# Altium PCB spd150.PcbDoc (part 13 of 16) (continued)
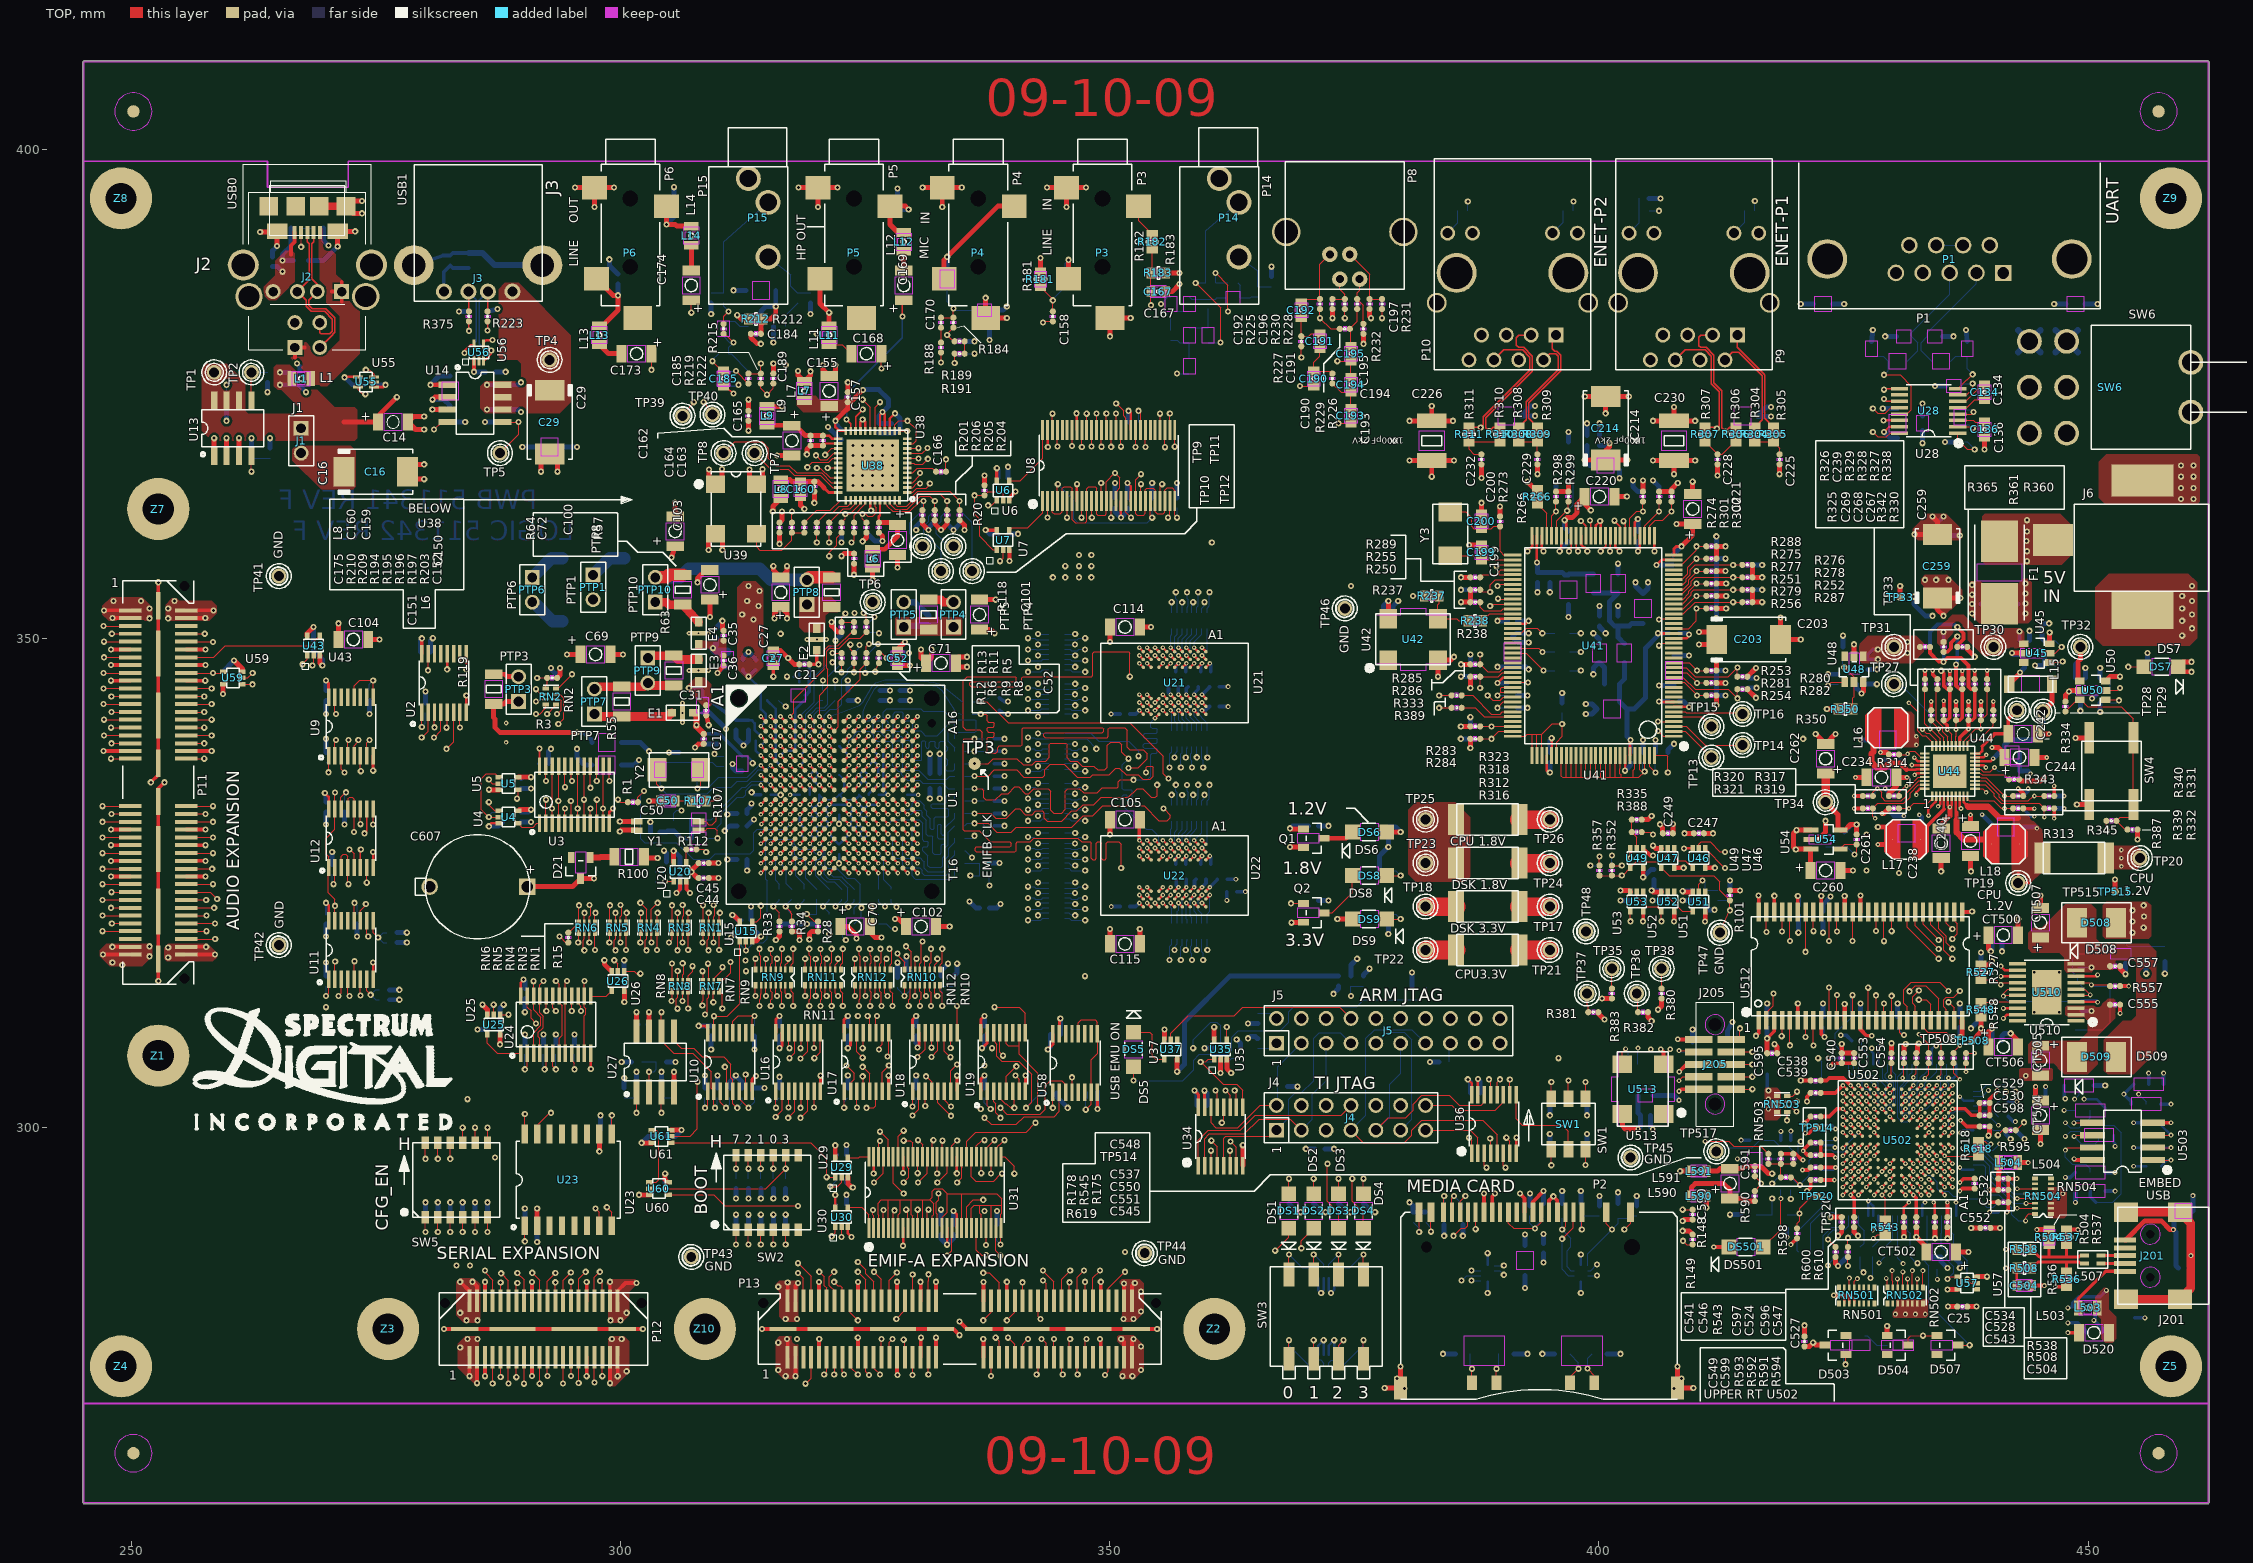
[diagram p0: TOP view]
## Nets (pads, with @x,y where several pads share a name; then routed paths per layer and width w, separated by ;. In a path a pad name is that pad's centre, name@x,y a point inside that pad or via, vN(x,y) a via of type N, cw(c..) or ccw(c..) an arc to the next point about the centre after c; other vN are vias at no path point) (continued)
T_TDI: R607.2 U34.3 | length 80.2
  TOP w0.127: U34.3@360.34,296.098 v1(360.34,297.622)
  LYR3-SIG w0.127: v1(360.34,297.622) 361.036,296.926 381.508,296.926 383.921,294.513 388.874,294.513 392.43,290.957 402.59,290.957 410.21,283.337 427.228,283.337 429.971,286.08 v3(431.089,286.08)
  BOTTOM w0.127: R607.2@430.53,286.766 430.53,286.639 v3(431.089,286.08)
T_TDO: R608.2 U36.6 | length 46
  TOP w0.127: U36.6@390.23,297.368 390.23,296.103 v1(390.449,295.885)
  LYR3-SIG w0.127: v1(390.449,295.885) 391.236,296.672 396.494,296.672 398.399,294.767 406.349,294.767 415.798,285.318 425.765,285.318 426.603,286.156 v3(428.625,286.156)
  BOTTOM w0.127: v3(428.625,286.156) 429.235,286.766 R608.2@429.26,286.766
T_TMS: R606.2 U34.6 | length 75.5
  TOP w0.127: U34.6@362.29,296.098 v1(362.29,297.622)
  LYR3-SIG w0.127: v1(362.29,297.622) 362.605,297.307 382.143,297.307 384.683,294.767 389.509,294.767 392.684,291.592 402.971,291.592 410.972,283.591 426.745,283.591 v1(427.761,284.607)
  BOTTOM w0.127: v1(427.761,284.607) 427.99,284.836 R606.2@427.99,286.766
T_TRSTN: R605.2 U34.13 | length 78.9
  TOP w0.127: v1(360.807,303.784) 360.99,303.601 U34.13@360.99,302.072
  LYR3-SIG w0.127: v1(360.807,303.784) 366.141,298.45 382.143,298.45 385.572,295.021 392.049,295.021 394.843,292.227 403.225,292.227 411.607,283.845 426.339,283.845 427.025,284.531 v1(427.025,285.191)
  BOTTOM w0.127: R605.2@426.72,286.766 426.72,285.496 v1(427.025,285.191)
TCK5509: J205.9 RN503.7 U502.J13 | length 15.4
  TOP w0.127: J205.9@413.512,303.911 v1(415.671,303.911) ; RN503.7@419.24,302.636 420.238,302.636 v1(420.243,302.641)
  TOP w0.254: v2(425.727,300.304) U502.J13@426.128,299.905
  LYR3-SIG w0.102: 422.783,300.711 425.094,300.711 425.501,300.304 v2(425.727,300.304)
  LYR3-SIG w0.127: v1(420.243,302.641) 422.173,300.711 422.783,300.711
  LYR7-SIG w0.127: v1(415.671,303.911) 417.131,302.45 420.053,302.45 v1(420.243,302.641)
TDI5509: J205.5 U502.K14 | length 14.2
  TOP w0.127: J205.5@413.512,306.451 v1(415.671,306.451)
  TOP w0.254: v2(424.927,301.104) U502.K14@425.328,300.706
  LYR7-SIG w0.102: 422.783,302.514 424.193,301.104 v2(424.927,301.104)
  LYR7-SIG w0.127: v1(415.671,306.451) 416.433,306.451 418.719,304.165 421.132,304.165 422.783,302.514
TDO5509: J205.7 U502.K13 | length 14.9
  TOP w0.127: J205.7@413.512,305.181 v1(415.671,305.181)
  TOP w0.254: v2(425.727,301.104) U502.K13@426.128,300.706
  LYR7-SIG w0.102: 422.783,301.752 423.824,300.711 425.333,300.711 v2(425.727,301.104)
  LYR7-SIG w0.127: v1(415.671,305.181) 416.555,305.181 417.444,304.292 417.533,304.292 417.83,303.995 417.83,303.906 418.587,303.149 421.47,303.149 422.783,301.836 422.783,301.752
TMS5509: J205.3 U502.J14 | length 18.3
  TOP w0.127: J205.3@413.512,307.721 v1(415.671,307.721)
  TOP w0.254: v2(424.927,300.304) U502.J14@425.328,299.905
  LYR7-SIG w0.102: 422.783,300.304 v2(424.927,300.304)
  LYR7-SIG w0.127: v1(415.671,307.721) 415.163,307.213 415.163,303.408 417.137,301.435 419.664,301.435 420.108,300.99 421.14,300.99 421.825,300.304 422.783,300.304
TRST5509: J205.1 R552.2 U502.J12 | length 20.3
  TOP w0.127: J205.1@413.512,308.991 414.147,308.991 414.401,309.245 v1(414.401,310.134)
  TOP w0.254: v2(426.527,300.304) U502.J12@426.928,299.905
  LYR7-SIG w0.102: 422.783,303.657 422.783,303.489 424.762,301.511 425.879,301.511 426.121,301.269 426.121,300.827 426.527,300.421 v2(426.527,300.304)
  LYR7-SIG w0.127: v1(414.401,310.134) 418.846,305.689 420.751,305.689 422.783,303.657
  BOTTOM w0.127: R552.2@414.147,308.991 414.147,309.88 v1(414.401,310.134)
TXM1: P9.2 R304.1 U41.49 | length 37.6
  TOP w0.132: v1(400.177,358.902) 400.667,359.392 U41.49@400.667,360.477 ; P9.2@412.877,378.46 413.639,379.222 414.269,379.222 416.667,376.824 416.667,372.344 R304.1@415.925,371.602 416.154,371.602 v1(416.916,370.84)
  LYR4-SIG w0.132: v1(400.177,358.902) 400.52,359.245 400.52,359.987 400.972,360.439 408.429,360.439 417.703,369.712 417.703,370.053 v1(416.916,370.84)
TXM2: P10.2 R308.1 U41.55 | length 31.5
  TOP w0.132: v1(392.76,370.891) 392.049,371.602 R308.1@391.795,371.602 392.557,372.364 392.557,374.183 395.834,377.459 395.834,378.841 395.58,379.095 394.97,379.095 P10.2@394.335,378.46 ; U41.55@397.662,360.477 397.662,359.105 v1(397.866,358.902)
  LYR4-SIG w0.132: v1(392.76,370.891) 393.37,370.891 393.548,370.713 393.548,367.838 394.594,366.791 394.594,361.188 394.993,360.789 394.993,358.145 395.435,357.703 397.053,357.703 397.51,358.16 397.51,358.546 v1(397.866,358.902)
TXP1: P9.1 R305.1 U41.48 | length 37.6
  TOP w0.132: v1(401.117,358.902) 401.168,358.953 U41.48@401.168,360.477 ; P9.1@414.147,381 414.147,379.745 416.898,376.994 416.898,376.954 416.921,376.931 416.921,372.511 R305.1@417.83,371.602 417.957,371.602 v1(418.719,370.84)
  LYR4-SIG w0.132: v1(401.117,358.902) 400.774,359.245 400.774,359.88 401.079,360.185 408.536,360.185 417.957,369.606 417.957,370.078 v1(418.719,370.84)
TXP2: P10.1 R309.1 U41.56 | length 31.6
  TOP w0.132: v1(394.589,370.84) 393.827,371.602 R309.1@393.7,371.602 392.811,372.491 392.811,374.076 396.088,377.353 396.088,378.948 395.686,379.349 395.478,379.349 395.224,379.603 395.224,380.619 P10.1@395.605,381 ; v1(396.926,358.902) 397.162,359.138 U41.56@397.162,360.477
  LYR4-SIG w0.132: v1(394.589,370.84) 393.929,370.84 393.802,370.713 393.802,367.944 394.848,366.898 394.848,361.295 395.247,360.896 395.247,358.252 395.541,357.957 396.946,357.957 397.256,358.267 397.256,358.572 v1(396.926,358.902)
UART0_RXD_I2C0_SDA: R26.2 R32.2 R34.2 U10.7 | length 24.4
  TOP w0.127: U10.7@312.776,303.718 v1(312.776,305.41) ; v1(316.865,322.58) 317.373,322.072 317.373,321.945 317.5,321.818 R34.2@317.5,321.056
  LYR4-SIG w0.127: v1(312.776,305.41) 312.801,305.435 312.801,313.563 315.468,316.23 315.468,317.5 315.874,317.906 315.874,318.44 316.865,319.43 v1(316.865,322.58)
  BOTTOM w0.127: R26.2@317.5,321.818 316.865,322.453 v1(316.865,322.58) 316.865,322.707 R32.2@317.5,323.342
UART0_TXD_I2C0_SCL: R25.2 R31.2 R33.2 U10.4 | length 24.8
  TOP w0.127: v1(310.642,306.197) 310.825,306.014 U10.4@310.825,303.718 ; v1(315.595,322.58) 316.23,321.945 R33.2@316.23,321.056
  LYR4-SIG w0.127: v1(310.642,306.197) 312.039,307.594 312.039,313.944 314.325,316.23 314.325,317.5 314.833,318.008 314.833,319.151 315.595,319.913 v1(315.595,322.58)
  BOTTOM w0.127: R25.2@316.23,321.818 316.23,321.945 v1(315.595,322.58) 316.23,323.215 R31.2@316.23,323.342
UART2_RXD: U12.10 U28.9 | length 197
  TOP w0.132: v1(273.812,330.073) 274.041,330.302 U12.10@274.041,332.552 ; v1(429.133,375.412) 429.25,375.529 U28.9@430.718,375.529
  LYR7-SIG w0.132: v1(273.812,330.073) 274.32,329.565 276.499,329.565 284.808,337.873 284.808,340.942 283.083,342.666 283.083,358.48 287.241,362.638 301.191,362.638 304.038,359.791 308.668,359.791 308.671,359.794 309.311,359.794 309.314,359.791 310.065,359.791 310.068,359.794 310.708,359.794 310.711,359.791 312.623,359.791 313.327,359.087 317.34,359.087 317.459,359.207 328.752,359.207 329.692,358.267 336.591,358.267 337.988,359.664 341.777,359.664 346.73,364.617 387.624,364.617 392.123,369.115 419.044,369.115 425.084,375.155 428.876,375.155 v1(429.133,375.412)
UART2_TXD: U12.6 U28.11 | length 196.9
  TOP w0.132: U12.6@273.39,326.578 273.39,328.381 v1(273.431,328.422) ; v1(429.133,374.472) 429.377,374.228 U28.11@430.718,374.228
  LYR7-SIG w0.132: v1(273.431,328.422) 274.32,329.311 276.606,329.311 285.062,337.767 285.062,341.048 283.337,342.773 283.337,358.374 287.348,362.384 301.084,362.384 303.931,359.537 308.775,359.537 308.778,359.54 309.204,359.54 309.207,359.537 310.172,359.537 310.175,359.54 310.601,359.54 310.604,359.537 312.517,359.537 313.22,358.833 317.447,358.833 317.566,358.953 328.646,358.953 329.585,358.013 336.697,358.013 338.094,359.41 341.884,359.41 346.837,364.363 387.731,364.363 392.229,368.861 419.151,368.861 425.191,374.901 428.628,374.901 429.057,374.472 v1(429.133,374.472)
USB0_DM: J2.2A J2.2AB J2.2B U1.G4 U55.5 | length 96.4
  TOP w0.127: U55.5@273.162,375.714 273.162,375.427 273.634,374.955 v1(273.888,374.955)
  TOP w0.152: J2.2AB@268.618,391.477 268.618,390.538 268.427,390.347 268.427,386.779 268.986,386.22 J2.2A@268.986,385.445 268.122,384.581 268.122,384.058 268.488,383.692 269.847,383.692 270.789,382.75 270.789,381.264 270.373,380.848 270.358,380.848 J2.2B@269.24,379.73
  TOP w0.254: v2(317.325,336.012) U1.G4@317.825,335.511
  LYR8-SIG w0.152: J2.2B@269.24,379.73 270.383,380.873 271.13,380.873 272.39,379.613 272.39,376.321 272.664,376.047 273.431,376.047 273.685,375.793 273.685,375.158 v1(273.888,374.955) 274.193,375.26 274.193,375.92 274.33,376.057 274.922,376.057 275.049,375.93 275.049,366.286 290.84,350.495 302.539,350.495 304.521,348.513 304.521,345.831 308.341,342.011 308.839,342.011 309.728,341.122 309.728,339.862 312.255,337.335 312.255,336.588 312.928,335.915 313.563,335.915 313.944,335.534 316.847,335.534 v2(317.325,336.012)
USB0_DP: J2.3A J2.3AB J2.3B U1.F4 U55.3 | length 96.9
  TOP w0.127: v1(273.939,377.444) 274.32,377.444 274.787,376.977 U55.3@274.787,376.715
  TOP w0.152: J2.3AB@267.97,391.477 267.97,390.525 268.148,390.347 268.148,386.639 J2.3A@266.954,385.445 267.843,384.556 267.843,383.941 268.371,383.413 269.73,383.413 270.51,382.633 270.51,381.381 270.256,381.127 269.367,381.127 269.24,381.254 J2.3B@269.24,382.27
  TOP w0.254: v2(317.325,337.012) U1.F4@317.825,336.512
  LYR8-SIG w0.152: J2.3B@269.24,382.27 270.358,381.152 271.247,381.152 272.669,379.73 272.669,376.438 272.781,376.326 273.329,376.326 273.685,376.682 273.685,377.317 273.812,377.444 v1(273.939,377.444) 274.193,377.19 274.193,376.504 274.361,376.337 275.039,376.337 275.328,376.047 275.328,366.403 290.957,350.774 302.656,350.774 304.8,348.63 304.8,345.948 308.458,342.29 308.955,342.29 310.007,341.239 310.007,339.979 312.534,337.452 312.534,336.705 313.045,336.194 313.588,336.194 313.944,336.55 316.862,336.55 v2(317.325,337.012)
USB1_SH: C271.2 J3.5 J3.6 R392.2 | length 13.9
  BOTTOM w0.381: J3.6@278.854,388.155 281.813,389.128 C271.2@282.575,389.128 282.829,389.382 R392.2@284.48,389.382
  BOTTOM w0.635: R392.2@284.48,389.382 285.877,389.382 287.104,388.155 J3.5@291.996,388.155
USB_1.6V: C524.1 C527.1 C529.1 C530.1 C532.1 C543.1 C544.1 C545.1 C546.1 C547.1 C548.1 C549.1 C556.1 CT504.1 CT506.1 D503.3 L590.2 R548.1 TP508.1 U502.A6 U502.A13 U502.A14 U502.B2 U502.B7 U502.B8 U502.B13 U502.C10 U502.C12 U502.G1 U502.J5 U502.J10 U502.J11 U502.L1 U502.L14 U502.M4 U502.M11 U502.N7 U502.N8 U510.18 U510.19 | length 44.8
  TOP w0.127: v2(431.038,305.054) 431.165,305.181 C549.1@431.165,306.578
  TOP w0.254: v2(424.927,293.101) U502.A14@425.328,293.502 ; v2(424.927,301.904) 425.326,301.506 U502.L14@425.328,301.506 ; v2(425.727,293.101) U502.A13@426.128,293.502 ; v2(425.727,293.901) U502.B13@426.128,294.302 ; v2(426.527,294.701) U502.C12@426.928,295.102 ; v2(427.327,300.304) U502.J11@427.728,299.905 ; v2(427.327,302.704) U502.M11@427.728,302.306 ; v2(428.127,294.701) U502.C10@428.528,295.102 ; v2(428.127,300.304) U502.J10@428.528,299.905 ; v2(429.727,293.901) U502.B8@430.129,294.302 ; v2(429.727,302.704) U502.N8@430.129,303.106 ; U502.B7@430.931,294.302 v2(431.33,293.901) ; U502.N7@430.931,303.106 v2(431.33,303.505) ; U502.A6@431.731,293.502 431.731,293.5 v2(432.13,293.101) ; U502.J5@432.532,299.905 v2(432.93,300.304) ; U502.M4@433.332,302.306 v2(433.73,302.704) ; U502.B2@434.932,294.302 v2(435.331,293.901) ; U502.G1@435.732,298.303 v2(436.131,297.901) ; U502.L1@435.732,301.506 v2(436.131,301.904) ; v3(441.325,311.15) 441.716,311.541 U510.19@442.783,311.541 ; v3(441.325,312.166) 441.35,312.191 U510.18@442.783,312.191
  TOP w0.381: C545.1@422.656,294.64 v2(424.053,294.64) ; C548.1@422.656,301.117 423.545,301.117 424.332,301.904 v2(424.927,301.904) ; v2(425.727,293.101) 426.085,292.743 C546.1@426.085,290.83 ; v2(432.13,293.101) 432.435,292.796 C524.1@432.435,290.83 ; v2(436.131,301.904) 437.413,301.904 438.074,301.244 C530.1@438.912,301.244 C529.1@438.912,302.514 ; v2(436.88,294.386) 437.261,294.767 C532.1@438.404,294.767 ; v3(439.928,292.354) C543.1@440.817,292.354
  TOP w0.406: C547.1@435.61,290.83 v2(435.61,292.354)
  TOP w0.508: v1(410.972,291.795) L590.2@410.972,292.989 ; C527.1@421.005,277.622 421.513,277.622 v1(421.894,278.003) 422.148,277.749 D503.3@423.113,277.749 ; TP508.1@438.15,308.864 439.039,309.753 v1(439.039,310.134) R548.1@439.039,311.277 ; CT506.1@439.801,308.229 439.801,309.753 v1(440.182,310.134) ; v3(444.627,304.165) 444.627,303.276 CT504.1@445.135,302.768
  BOTTOM w0.381: C544.1@444.627,303.276 v3(444.627,304.165)
  BOTTOM w0.508: C556.1@440.182,308.864 v1(440.182,310.134)
USB_2.5V: C526.1 C592.1 C593.1 C594.1 CT500.1 D507.3 R527.1 TP514.1 U510.12 U510.13 U511.35 U511.57 U511.67 U511.90 | length 34.9
  TOP w0.127: D507.3@436.677,277.749 v1(437.896,277.749)
  TOP w0.254: v3(441.071,315.443) U510.13@442.783,315.443 ; v3(441.071,316.484) 441.462,316.093 U510.12@442.783,316.093
  TOP w0.381: v3(421.107,299.415) 421.462,299.415 422.021,299.974 TP514.1@422.275,299.974
  TOP w0.508: R527.1@439.039,316.611 439.801,316.611 v1(440.182,316.992) ; CT500.1@439.801,319.659 439.801,318.262 v1(440.055,318.008)
  BOTTOM w0.127: U511.57@433.532,290.957 433.532,287.955 C594.1@433.705,287.782 433.07,287.147 433.07,286.512 433.705,285.877 433.705,281.94 v1(437.896,277.749) ; U511.35@438.277,300.205 439.824,300.205 440.309,299.72 C592.1@441.579,299.72
  BOTTOM w0.254: v3(421.107,299.415) 421.35,299.415 421.64,299.705 U511.90@422.783,299.705 ; v2(427.99,289.509) 428.528,290.048 U511.67@428.528,290.957
  BOTTOM w0.381: C593.1@419.608,298.704 v3(419.608,299.618)
  BOTTOM w0.457: C592.1@441.579,299.72 441.579,299.339 v1(442.087,298.831)
  BOTTOM w0.508: v1(440.055,318.008) 440.182,318.135 C526.1@440.182,319.024
USB_DM: J3.2 R223.2 U56.3 | length 10.6
  TOP w0.152: U56.3@285.996,378.409 286.08,378.409 286.766,379.095 v1(286.766,379.425) ; R223.2@286.385,383.413 286.426,383.454 J3.2@286.426,385.445
  BOTTOM w0.152: J3.2@286.426,385.445 285.56,384.579 285.56,380.136 286.271,379.425 v1(286.766,379.425)
USB_DP: J3.3 R375.2 U56.5 | length 10.7
  TOP w0.152: v1(284.023,379.171) 284.023,379.4 284.658,380.035 U56.5@284.996,380.035 ; J3.3@284.424,385.445 284.48,385.389 R375.2@284.48,383.413
  BOTTOM w0.152: v1(284.023,379.171) 284.048,379.171 285.255,380.378 285.255,384.614 J3.3@284.424,385.445
USB_POWERDET: R534.2 R535.1 U502.D1 | length 26.2
  TOP w0.254: U502.D1@435.732,295.902 v2(436.131,295.501)
  LYR4-SIG w0.102: v2(436.131,295.501) 438.277,295.501
  LYR4-SIG w0.127: 438.277,295.501 438.686,295.501 440.436,293.751 440.436,291.338 450.596,281.178 v3(450.596,280.289)
  BOTTOM w0.381: R534.2@450.723,281.559 450.723,280.416 v3(450.596,280.289) 451.358,279.527 R535.1@451.358,279.019
USB_USBVDD: C528.1 C534.1 L504.2 U502.D2 | length 4.3
  TOP w0.254: U502.D2@434.932,295.902 v2(435.331,295.504)
  TOP w0.508: v3(439.928,293.624) C528.1@440.817,293.624 C534.1@440.817,294.767 440.817,295.275 440.868,295.326 L504.2@440.868,296.418
USBVIN: C531.1 D520.1 L503.2 R534.1 | length 4.9
  BOTTOM w0.381: v3(447.929,281.559) 448.437,281.686 448.437,282.067 448.564,282.194 448.945,282.575 449.072,282.702 451.231,282.702 v3(451.866,283.337)
USER_LED1: DS1.1 U18.2 | length 59.5
  TOP w0.127: v1(329.819,301.219) 330.479,301.879 U18.2@330.479,303.718 ; v1(366.903,287.401) 368.3,288.798 DS1.1@368.3,289.712
  LYR3-SIG w0.127: v1(329.819,301.219) 326.873,301.219 325.628,299.974 325.628,298.196 327.279,296.545 327.279,293.751 328.295,292.735 334.137,292.735 336.042,290.83 355.346,290.83 358.775,287.401 v1(366.903,287.401)
USER_LED2: DS2.1 U18.5 | length 64.6
  TOP w0.127: U18.5@332.43,303.718 332.43,302.519 v1(333.756,301.193) ; v1(369.57,287.655) 369.57,288.417 370.84,289.687 DS2.1@370.84,289.712
  LYR3-SIG w0.127: v1(333.756,301.193) 333.273,300.711 326.873,300.711 326.009,299.847 326.009,298.323 327.66,296.672 327.66,294.767 328.574,293.853 334.602,293.853 334.627,293.878 352.933,293.878 358.775,288.036 369.189,288.036 v1(369.57,287.655)
USER_LED3: DS3.1 U18.11 | length 53.7
  TOP w0.127: U18.11@333.08,309.692 333.08,307.812 v1(333.705,307.188) ; v1(372.237,296.291) 372.237,292.481 373.38,291.338 DS3.1@373.38,289.712
  LYR3-SIG w0.127: v1(333.705,307.188) 337.337,307.188 339.852,304.673 342.138,304.673 343.154,305.689 346.71,305.689 348.234,304.165 352.806,304.165 360.68,296.291 v1(372.237,296.291)
USER_LED4: DS4.1 U18.14 | length 57.9
  TOP w0.127: v1(330.327,307.213) 331.13,308.016 U18.14@331.13,309.692 ; v1(374.777,294.767) 374.777,292.481 375.92,291.338 DS4.1@375.92,289.712
  LYR3-SIG w0.127: v1(330.327,307.213) 330.454,307.213 334.137,303.53 352.552,303.53 360.426,295.656 373.888,295.656 v1(374.777,294.767)
USER_SW1: RN23.8 SW3.1 U16.2 | length 72.8
  TOP w0.127: v1(315.846,301.076) 316.509,301.739 U16.2@316.509,303.718 ; SW3.1@368.3,276.352 v1(368.3,278.257)
  LYR3-SIG w0.127: v1(315.846,301.076) 322.453,294.47 322.453,291.465 325.12,288.798 353.695,288.798 357.632,284.861 361.696,284.861 v1(368.3,278.257)
  BOTTOM w0.127: v1(368.3,278.257) 368.3,277.749 370.345,275.704 RN23.8@371.287,275.704
USER_SW2: RN23.7 SW3.2 U16.5 | length 72.1
  TOP w0.127: v1(318.389,302.006) 318.46,302.077 U16.5@318.46,303.718 ; SW3.2@370.84,276.352 v1(370.84,278.257)
  LYR3-SIG w0.127: v1(318.389,302.006) 321.056,299.339 321.056,297.688 324.485,294.259 324.485,291.084 326.263,289.306 354.33,289.306 358.14,285.496 363.601,285.496 v1(370.84,278.257)
  BOTTOM w0.127: v1(370.84,278.257) 370.84,276.512 370.893,276.459 370.893,276.347 371.003,276.238 371.546,276.238 371.861,275.923 RN23.7@371.861,275.704
USER_SW3: RN23.6 SW3.3 U16.11 | length 81.4
  TOP w0.127: v1(318.389,307.061) 319.11,307.782 U16.11@319.11,309.692 ; SW3.3@373.38,276.352 373.38,277.749 v1(373.888,278.257)
  LYR3-SIG w0.127: v1(318.389,307.061) 318.389,304.272 324.993,297.668 324.993,291.338 326.517,289.814 354.711,289.814 358.521,286.004 366.141,286.004 v1(373.888,278.257)
  BOTTOM w0.127: RN23.6@372.359,275.704 372.359,275.966 372.618,276.225 373.253,276.225 373.507,276.479 373.507,277.876 v1(373.888,278.257)
USER_SW4: RN23.5 SW3.4 U16.14 | length 84
  TOP w0.127: U16.14@317.16,309.692 317.16,308.188 v1(317.246,308.102) ; SW3.4@375.92,276.352 v1(375.92,278.257)
  LYR3-SIG w0.127: v1(317.246,308.102) 317.767,307.581 318.783,307.581 319.151,307.213 319.151,304.038 326.39,296.799 326.39,294.15 326.349,294.109 326.349,291.341 327.368,290.322 355.092,290.322 358.775,286.639 366.776,286.639 373.761,279.654 374.523,279.654 v1(375.92,278.257)
  BOTTOM w0.127: RN23.5@372.933,275.704 373.875,275.704 375.92,277.749 v1(375.92,278.257)
VCC_1V2: C241.1 L18.1 R313.1 R369.1 TP19.1 U44.9 | length 92
  TOP w0.254: U44.9@437.264,333.858 437.264,333.271 437.617,332.918 ; 442.849,326.009 TP19.1@442.849,324.993 443.865,324.993
  TOP w0.508: 437.617,332.918 437.744,332.791
  TOP w0.635: 437.744,332.791 439.776,332.791 440.919,331.648 442.824,331.648
  LYR3-SIG w0.635: v1(372.364,330.835) 377.698,330.835 379.73,328.803 382.905,328.803 386.969,324.739 397.51,324.739 400.177,322.072 409.321,322.072 410.464,323.215 414.528,323.215 415.544,322.199 436.372,322.199 v2(444.754,330.581)
  BOTTOM w0.508: R369.1@371.348,330.835 v1(372.364,330.835) ; C241.1@443.103,330.708 444.627,330.708 v2(444.754,330.581)
VCC_1V8: C236.1 L8.2 L16.2 R318.1 R323.1 R371.1 TP23.1 TP25.1 U44.33 | length 111.2
  TOP w0.254: v2(432.234,337.807) 432.618,337.424 U44.33@433.299,337.424
  TOP w0.508: v1(315.544,362.966) 315.544,363.474 L8.2@316.357,364.287
  LYR4-SIG w0.508: v1(315.544,362.966) 315.544,366.471 319.557,370.484 362.179,370.484 376.682,355.981 376.682,337.058 TP25.1@382.27,331.47
  LYR7-SIG w0.635: 381.254,327.025 TP23.1@382.27,327.025 ; 381.254,331.47 TP25.1@382.27,331.47 ; 382.27,326.009 TP23.1@382.27,327.025 ; 382.27,328.041 TP23.1@382.27,327.025 ; 382.27,330.454 TP25.1@382.27,331.47 ; 382.27,332.486 TP25.1@382.27,331.47 ; 383.286,327.025 TP23.1@382.27,327.025 ; 383.286,331.47 TP25.1@382.27,331.47
  BOTTOM w0.508: R371.1@371.348,323.215 v1(372.364,323.215)
  other v2: 432.435,339.115 432.435,339.979
VCC_3V3: C1.1 C9.1 C10.1 C11.1 C12.1 C40.1 C41.1 C42.1 C43.1 C237.1 C265.1 L17.1 R312.1 R316.1 R320.1 R374.1 TP17.1 TP21.1 U2.16 U9.16 U10.16 U11.16 U12.16 U16.16 U17.16 U18.16 U19.16 U44.2 U58.16 | length 53.8
  TOP w0.254: v1(269.748,334.188) 270.139,333.797 U12.16@270.139,332.552 ; v1(269.875,322.961) 270.139,322.697 U11.16@270.139,321.122 ; v2(433.68,331.876) 433.68,332.562 434.099,332.981 434.099,332.986 434.434,333.322 434.434,333.446 434.464,333.477 U44.2@434.464,333.858
  TOP w0.305: v1(269.875,345.694) 270.139,345.43 U9.16@270.139,343.982 ; v1(307.975,310.388) 308.62,310.388 308.874,310.134 U10.16@308.874,309.692 ; U16.16@315.859,309.692 315.859,311.033 v1(316.23,311.404) ; U17.16@322.844,309.692 322.844,311.033 v1(323.215,311.404) ; U18.16@329.829,309.692 329.829,311.033 v1(330.2,311.404) ; U19.16@336.814,309.692 336.814,311.033 v1(337.185,311.404) ; v1(343.662,307.975) 344.18,308.493 U58.16@344.18,309.565
  TOP w0.381: U2.16@279.664,348.427 v1(279.664,350.002) ; v2(426.085,333.883) R320.1@426.974,333.883
  TOP w0.508: v2(428.498,328.93) 429.45,328.93 L17.1@429.958,329.438 429.958,330.34 429.59,330.708 v1(428.498,330.708)
  TOP w1.905: R316.1@391.858,318.135 TP21.1@394.97,318.135 ; R312.1@391.858,322.58 TP17.1@394.97,322.58
  LYR9-PLN w0.635: 393.954,318.135 TP21.1@394.97,318.135 ; 393.954,322.58 TP17.1@394.97,322.58 ; 394.97,317.119 TP21.1@394.97,318.135 ; 394.97,319.151 TP21.1@394.97,318.135 ; 394.97,321.564 TP17.1@394.97,322.58 ; 394.97,323.596 TP17.1@394.97,322.58 ; 395.986,318.135 TP21.1@394.97,318.135 ; 395.986,322.58 TP17.1@394.97,322.58
  BOTTOM w0.254: C11.1@269.875,321.818 v1(269.875,322.961)
  BOTTOM w0.508: v1(269.748,334.188) 269.748,334.134 269.875,334.007 C12.1@269.875,333.248 ; C9.1@269.875,344.678 v1(269.875,345.694) ; C1.1@279.527,348.615 279.527,349.865 v1(279.664,350.002) ; v1(307.975,310.388) C10.1@309.245,310.388 ; C40.1@316.23,310.388 v1(316.23,311.404) ; C41.1@323.215,310.388 v1(323.215,311.404) ; C42.1@330.2,310.388 v1(330.2,311.404) ; C43.1@337.185,310.388 v1(337.185,311.404) ; v1(343.662,307.975) 343.916,308.229 C265.1@343.916,309.499 ; v1(378.46,319.786) R374.1@378.46,320.802 ; v1(428.498,330.708) 429.26,330.708 C237.1@429.895,330.073
VCC_5V: C13.1 C28.1 C234.1 C238.1 C240.1 C244.1 C259.1 C263.1 C264.1 D508.2 P11.1 P11.2 P11.3 P11.4 P11.77 P11.78 P11.79 P11.80 P12.1 P12.2 P12.3 P12.4 P12.37 P12.38 P12.39 P12.40 P13.1 P13.2 P13.3 P13.4 P13.77 P13.78 P13.79 P13.80 R212.2 R314.1 R317.1 R319.1 R330.2 R331.1 R332.1 R338.1 R339.1 R340.1 R367.2 R368.1 R370.2 R387.1 SW6.2 SW6.5 TP33.1 TP515.1 U13.2 U13.3 U14.2 U14.3 U44.5 U44.6 U44.19 U44.36 U55.1 U56.1 | length 120.2
  TOP w0.254: v2(432.265,336.042) 432.341,336.042 432.521,336.222 U44.36@433.299,336.222 ; U44.5@435.663,333.858 435.663,332.941 v2(435.864,332.74) 436.065,332.941 U44.6@436.065,333.858 ; U44.19@438.429,337.823 439.316,337.823 v2(439.585,338.092)
  TOP w0.305: U55.1@274.787,375.714 275.765,375.714 v1(275.971,375.92) ; P12.38@298.907,282.27 v1(298.907,284.226)
  TOP w0.381: v1(247.066,317.678) P11.79@249.86,317.678 ; v1(247.193,352.857) P11.1@249.86,352.857 ; v1(248.031,318.465) P11.77@249.86,318.465 ; v1(248.056,352.069) P11.3@249.86,352.069 ; P11.80@255.6,317.678 v1(258.521,317.678) ; P11.78@255.6,318.465 v1(257.632,318.465) ; P11.4@255.6,352.069 v1(257.531,352.069) ; P11.2@255.6,352.857 v1(258.369,352.857) ; v1(283.591,284.226) 284.531,283.286 P12.2@284.531,282.27 ; v1(284.531,274.574) P12.1@284.531,276.53 ; v1(284.861,284.226) 285.318,283.769 P12.4@285.318,282.27 ; v1(284.996,377.241) U56.1@284.996,378.409 ; v1(285.318,273.863) P12.3@285.318,276.53 ; v1(298.907,273.863) P12.37@298.907,276.53 ; v1(299.695,274.574) P12.39@299.695,276.53 ; P12.40@299.695,282.27 299.695,283.312 300.482,284.099 v1(301.625,284.099) ; v1(316.992,278.384) 317.068,278.308 P13.1@317.068,276.53 ; P13.2@317.068,282.27 v1(317.068,284.15) ; v1(317.856,274.574) P13.3@317.856,276.53 ; P13.4@317.856,282.27 317.856,283.82 v1(318.135,284.099) ; R338.1@439.674,345.821 v2(439.674,346.71) ; R330.2@440.309,342.646 v2(440.309,343.535) ; R339.1@443.357,332.613 443.382,332.588 v2(444.5,332.588) ; v2(446.532,331.597) R332.1@446.532,332.613 ; R331.1@446.532,333.883 v2(446.532,334.899)
  TOP w0.406: v1(351.155,278.384) 351.46,278.079 P13.77@351.46,276.53 ; P13.78@351.46,282.27 v1(351.46,284.048) ; P13.79@352.247,276.53 352.247,278.206 v1(352.425,278.384) ; P13.80@352.247,282.27 352.247,283.794 v1(352.552,284.099)
  TOP w0.457: v2(442.849,334.645) 443.357,334.137 R340.1@443.357,333.883
  TOP w0.508: U13.2@259.715,368.681 v1(259.715,370.459) ; U13.3@260.985,368.681 v1(260.985,370.459) ; v1(280.746,373.38) U14.3@282.321,373.38 ; v1(280.772,374.396) 281.026,374.65 U14.2@282.321,374.65 ; v1(311.912,383.032) 312.293,382.651 R212.2@313.055,382.651 ; v2(428.777,338.353) 429.412,338.353 R314.1@429.641,338.125 ; v2(428.95,332.095) 429.123,332.095 R319.1@429.641,332.613 ; R317.1@429.641,333.883 429.641,334.14 430.403,334.902 C234.1@430.403,335.788 v2(431.495,335.788) ; TP33.1@430.784,354.203 v1(430.784,355.346) ; C238.1@434.975,330.581 434.975,330.962 435.864,331.851 v2(435.864,332.74) ; v1(435.229,352.298) 434.594,352.933 C259.1@434.594,354.127 v1(436.956,354.127) ; C240.1@437.972,330.81 v2(437.972,331.953) ; v2(440.182,338.836) 440.817,338.836 441.452,338.201 C244.1@441.452,337.82 ; TP515.1@452.755,324.104 v1(452.755,325.336) ; v1(455.041,329.438) R387.1@455.041,330.454
  LYR9-PLN w0.635: 442.864,374.538 SW6.5@443.992,375.666 ; 442.864,376.794 SW6.5@443.992,375.666 ; 445.12,374.538 SW6.5@443.992,375.666 ; 445.12,376.794 SW6.5@443.992,375.666 ; 446.674,374.538 SW6.2@447.802,375.666 ; 446.674,376.794 SW6.2@447.802,375.666 ; 448.93,374.538 SW6.2@447.802,375.666 ; 448.93,376.794 SW6.2@447.802,375.666
  BOTTOM w0.508: C264.1@274.828,375.92 v1(275.971,375.92) ; v1(280.746,373.38) 282.194,373.38 C28.1@282.575,373.761 281.94,374.396 v1(280.772,374.396) ; v1(284.996,377.241) C263.1@286.189,377.241 ; C13.1@294.259,369.57 v1(295.529,369.57) ; R370.2@378.46,325.247 377.952,325.247 377.571,325.628 377.571,327.787 v1(378.46,328.676) R367.2@378.46,329.692 ; R368.1@456.057,347.091 v1(456.057,348.488)
  other v1: 316.865,274.574 351.282,274.574 352.298,274.574 300.609,275.082 316.103,275.209 353.187,275.209 283.591,277.495 353.187,277.622 316.103,278.003 284.353,278.384 285.369,278.384 299.085,278.384 300.101,278.384 284.226,280.289 285.369,280.289 298.958,280.289 299.974,280.289 316.865,280.416 318.008,280.416 351.409,280.416 352.425,280.416 283.591,281.051 300.609,281.051 353.187,281.178 353.187,283.21 316.103,283.718 249.047,316.611 248.031,316.865 253.746,317.373 251.841,317.5 253.746,318.389 251.841,318.516 454.533,319.913 455.676,320.421 454.533,321.056 455.701,321.564 454.533,322.199 455.676,322.707 251.841,352.044 253.746,352.044 251.841,353.06 253.746,353.06 248.158,353.822 250.952,353.822 254.381,353.822 433.324,355.981 434.467,355.981 435.737,355.981
VLDO2: C243.1 C260.1 L15.2 TP29.1 U44.18 U54.1 U54.3 | length 25.7
  TOP w0.254: U44.18@438.429,337.424 440.025,337.424 v2(440.299,337.698)
  TOP w0.508: C260.1@421.64,326.263 421.64,328.463 U54.3@421.665,328.488 420.182,328.488 v1(420.116,328.422) 419.862,328.676 419.862,330.073 v1(420.177,330.388) U54.1@421.665,330.388 ; TP29.1@445.389,342.519 446.303,343.433 L15.2@446.303,345.313
  LYR3-SIG w0.508: 444.619,341.749 TP29.1@445.389,342.519 ; 444.619,343.289 TP29.1@445.389,342.519 ; 446.159,341.749 TP29.1@445.389,342.519 ; 446.159,343.289 TP29.1@445.389,342.519
  BOTTOM w0.508: v2(440.299,337.698) 440.929,338.328 C243.1@441.452,338.328 441.452,339.09 441.96,339.598 444.5,339.598 445.389,340.487 TP29.1@445.389,342.519

## Text inside footprints (layer, text, board x,y; h text height)
C158: PIN_NUMBER "2" at 343.967,382.397 h0.51 r270; PIN_NUMBER "1" at 343.967,383.413 h0.51 r270; ASSEMBLY_TOP "TOLERANCE" at 341.63,382.905 h0.64 r270; ASSEMBLY_TOP "USERPART#" at 340.36,382.905 h0.64 r270; SYMBOL_PART_DIM "PAD 35X32 OV" at 339.395,386.029 h0.64 r270; SYMBOL_PART_DIM "C402-35X32" at 340.665,386.029 h0.64 r270; SYMBOL_PART_DIM "0" at 342.036,383.108 h0.64 r270; SYMBOL_PART_DIM "0" at 343.84,385.242 h0.64 r270
C159: PIN_NUMBER "1" at 319.583,366.014 h0.51 r270; PIN_NUMBER "2" at 319.583,364.998 h0.51 r270; ASSEMBLY_TOP "TOLERANCE" at 317.246,365.506 h0.64 r270; ASSEMBLY_TOP "USERPART#" at 315.976,365.506 h0.64 r270; SYMBOL_PART_DIM "PAD 35X32 OV" at 315.011,368.63 h0.64 r270; SYMBOL_PART_DIM "C402-35X32" at 316.281,368.63 h0.64 r270; SYMBOL_PART_DIM "0" at 317.652,365.709 h0.64 r270; SYMBOL_PART_DIM "0" at 319.456,367.843 h0.64 r270
C160: PIN_NUMBER "1" at 317.729,365.887 h0.51 r270; PIN_NUMBER "2" at 317.729,364.363 h0.51 r270; ASSEMBLY_TOP "1uF" at 318.008,365.76 h1.02 r270; ASSEMBLY_TOP "X" at 318.008,364.871 h1.02 r270; ASSEMBLY_TOP "X" at 318.135,363.982 h1.02 r270; SYMB_DIM "PAD 35X45OV" at 313.309,369.316 h1.02 r270; SYMB_DIM "SM  43X53OV" at 311.404,369.316 h1.02 r270; SYMB_DIM "SP  35X45OV" at 309.626,369.316 h1.02 r270; SYMB_DIM "C603-35X45" at 322.199,369.062 h1.02 r270; SYMB_DIM "0" at 314.96,365.76 h1.02 r270; SYMB_DIM "0" at 317.881,368.808 h1.02 r270
C161: PIN_NUMBER "1" at 342.24,386.08 h0.51 r270; PIN_NUMBER "2" at 342.24,387.604 h0.51 r270; SYMB_DIM "PAD 35X45OV" at 337.82,382.651 h1.02 r270; SYMB_DIM "SM  43X53OV" at 335.915,382.651 h1.02 r270; SYMB_DIM "SP  35X45OV" at 334.137,382.651 h1.02 r270; SYMB_DIM "C603-35X45" at 346.71,382.905 h1.02 r270; SYMB_DIM "0" at 339.471,386.207 h1.02 r270; SYMB_DIM "0" at 342.392,383.159 h1.02 r270; ASSEMBLY_BOTTOM "220pF" at 342.519,386.207 h1.02 r270; ASSEMBLY_BOTTOM "X" at 342.519,387.096 h1.02 r270; ASSEMBLY_BOTTOM "X" at 342.646,387.985 h1.02 r270
C162: PIN_NUMBER "1" at 317.094,371.729 h1.02 r270; PIN_NUMBER "2" at 317.094,368.681 h1.02 r270; Top Overlay "+" at 317.373,373.38 h0.89 r270; ASSEMBLY_TOP "10uF" at 317.119,371.094 h1.02 r270; ASSEMBLY_TOP "X" at 317.119,370.205 h1.02 r270; ASSEMBLY_TOP "X" at 317.119,369.189 h1.02 r270; ASSEMBLY_TOP "+" at 317.119,373.126 h1.02 r270; SYMB_DIM "PAD 40X70OV" at 307.315,367.411 h1.02 r270; SYMB_DIM "SM  48X78" at 306.222,368.681 h1.02 r270; SYMB_DIM "SP  40X70OV" at 303.505,367.411 h1.02 r270; SYMB_DIM "C1206-40X70" at 318.237,367.665 h1.02 r270; SYMB_DIM "0" at 313.69,370.84 h1.02 r270; SYMB_DIM "0" at 316.865,374.65 h1.02 r270
C163: PIN_NUMBER "1" at 320.472,370.713 h0.51 r270; PIN_NUMBER "2" at 320.472,369.697 h0.51 r270; ASSEMBLY_TOP "TOLERANCE" at 318.135,370.205 h0.64 r270; ASSEMBLY_TOP "USERPART#" at 316.865,370.205 h0.64 r270; SYMBOL_PART_DIM "PAD 35X32 OV" at 315.9,373.329 h0.64 r270; SYMBOL_PART_DIM "C402-35X32" at 317.17,373.329 h0.64 r270; SYMBOL_PART_DIM "0" at 318.541,370.408 h0.64 r270; SYMBOL_PART_DIM "0" at 320.345,372.542 h0.64 r270
C164: PIN_NUMBER "1" at 319.202,370.713 h0.51 r270; PIN_NUMBER "2" at 319.202,369.697 h0.51 r270; ASSEMBLY_TOP "TOLERANCE" at 316.865,370.205 h0.64 r270; ASSEMBLY_TOP "USERPART#" at 315.595,370.205 h0.64 r270; SYMBOL_PART_DIM "PAD 35X32 OV" at 314.63,373.329 h0.64 r270; SYMBOL_PART_DIM "C402-35X32" at 315.9,373.329 h0.64 r270; SYMBOL_PART_DIM "0" at 317.271,370.408 h0.64 r270; SYMBOL_PART_DIM "0" at 319.075,372.542 h0.64 r270
C165: PIN_NUMBER "1" at 312.852,373.253 h0.51 r270; PIN_NUMBER "2" at 312.852,372.237 h0.51 r270; ASSEMBLY_TOP "TOLERANCE" at 310.515,372.745 h0.64 r270; ASSEMBLY_TOP "USERPART#" at 309.245,372.745 h0.64 r270; SYMBOL_PART_DIM "PAD 35X32 OV" at 308.28,375.869 h0.64 r270; SYMBOL_PART_DIM "C402-35X32" at 309.55,375.869 h0.64 r270; SYMBOL_PART_DIM "0" at 310.921,372.948 h0.64 r270; SYMBOL_PART_DIM "0" at 312.725,375.082 h0.64 r270
C166: PIN_NUMBER "1" at 333.045,367.03 h0.51 r180; PIN_NUMBER "2" at 332.029,367.03 h0.51 r180; ASSEMBLY_TOP "TOLERANCE" at 332.74,369.57 h0.64 r180; ASSEMBLY_TOP "USERPART#" at 332.74,370.84 h0.64 r180; SYMBOL_PART_DIM "PAD 35X32 OV" at 335.864,371.805 h0.64 r180; SYMBOL_PART_DIM "C402-35X32" at 335.864,370.535 h0.64 r180; SYMBOL_PART_DIM "0" at 332.943,369.164 h0.64 r180; SYMBOL_PART_DIM "0" at 335.077,367.36 h0.64 r180
C167: PIN_NUMBER "1" at 353.924,385.191 h0.51; PIN_NUMBER "2" at 355.448,385.191 h0.51; ASSEMBLY_TOP "220pF" at 354.457,385.064 h1.02; ASSEMBLY_TOP "X" at 355.346,385.064 h1.02; ASSEMBLY_TOP "X" at 356.235,385.191 h1.02; SYMB_DIM "PAD 35X45OV" at 350.901,380.365 h1.02; SYMB_DIM "SM  43X53OV" at 350.901,378.46 h1.02; SYMB_DIM "SP  35X45OV" at 350.901,376.682 h1.02; SYMB_DIM "C603-35X45" at 351.155,389.255 h1.02; SYMB_DIM "0" at 354.457,382.016 h1.02; SYMB_DIM "0" at 351.409,384.937 h1.02
C168: PIN_NUMBER "2" at 323.19,379.095 h1.02 r180; PIN_NUMBER "1" at 326.238,379.095 h1.02 r180; Top Overlay "+" at 327.787,378.206 h0.89 r180; ASSEMBLY_TOP "33uF,6.3V" at 326.009,379.476 h1.02 r180; ASSEMBLY_TOP "X" at 325.12,379.476 h1.02 r180; ASSEMBLY_TOP "X" at 324.104,379.476 h1.02 r180; ASSEMBLY_TOP "+" at 328.041,378.206 h1.02 r180; SYMB_DIM "PAD 40X70OV" at 317.856,384.81 h1.02 r180; SYMB_DIM "SM  48X78" at 319.938,386.715 h1.02 r180; SYMB_DIM "SP  40X70OV" at 317.856,388.62 h1.02 r180; SYMB_DIM "C1206-40X70" at 318.11,373.888 h1.02 r180; SYMB_DIM "0" at 325.755,382.905 h1.02 r180; SYMB_DIM "0" at 329.565,379.73 h1.02 r180
C169: PIN_NUMBER "1" at 328.524,384.556 h1.02 r90; PIN_NUMBER "2" at 328.524,387.604 h1.02 r90; Top Overlay "+" at 328.295,383.159 h0.89 r90; ASSEMBLY_TOP "33uF,6.3V" at 329.311,385.191 h1.02 r90; ASSEMBLY_TOP "X" at 329.311,386.08 h1.02 r90; ASSEMBLY_TOP "X" at 329.311,387.096 h1.02 r90; ASSEMBLY_TOP "+" at 328.041,383.159 h1.02 r90; SYMB_DIM "PAD 40X70OV" at 330.175,388.874 h1.02 r90; SYMB_DIM "SM  48X78" at 332.892,387.604 h1.02 r90; SYMB_DIM "SP  40X70OV" at 333.985,388.874 h1.02 r90; SYMB_DIM "C1206-40X70" at 319.253,388.62 h1.02 r90; SYMB_DIM "0" at 332.74,385.445 h1.02 r90; SYMB_DIM "0" at 329.565,381.635 h1.02 r90
C170: PIN_NUMBER "1" at 332.537,382.778 h0.51 r270; PIN_NUMBER "2" at 332.537,381.762 h0.51 r270; ASSEMBLY_TOP "TOLERANCE" at 330.2,382.27 h0.64 r270; ASSEMBLY_TOP "USERPART#" at 328.93,382.27 h0.64 r270; SYMBOL_PART_DIM "PAD 35X32 OV" at 327.965,385.394 h0.64 r270; SYMBOL_PART_DIM "C402-35X32" at 329.235,385.394 h0.64 r270; SYMBOL_PART_DIM "0" at 330.606,382.473 h0.64 r270; SYMBOL_PART_DIM "0" at 332.41,384.607 h0.64 r270
C171: PIN_NUMBER "1" at 336.144,383.794 h0.51 r180; PIN_NUMBER "2" at 337.668,383.794 h0.51 r180; SYMB_DIM "PAD 35X45OV" at 333.121,388.62 h1.02 r180; SYMB_DIM "SM  43X53OV" at 333.121,390.525 h1.02 r180; SYMB_DIM "SP  35X45OV" at 333.121,392.303 h1.02 r180; SYMB_DIM "C603-35X45" at 333.375,379.73 h1.02 r180; SYMB_DIM "0" at 336.677,386.969 h1.02 r180; SYMB_DIM "0" at 333.629,384.048 h1.02 r180; ASSEMBLY_BOTTOM "220pF" at 336.677,383.921 h1.02 r180; ASSEMBLY_BOTTOM "X" at 337.566,383.921 h1.02 r180; ASSEMBLY_BOTTOM "X" at 338.455,383.794 h1.02 r180
C172: PIN_NUMBER "1" at 333.934,380.365 h0.51 r180; PIN_NUMBER "2" at 334.95,380.365 h0.51 r180; ASSEMBLY_BOTTOM "TOLERANCE" at 334.645,382.905 h0.64 r180; ASSEMBLY_BOTTOM "USERPART#" at 334.645,384.175 h0.64 r180; SYMBOL_PART_DIM "PAD 35X32 OV" at 331.521,385.14 h0.64 r180; SYMBOL_PART_DIM "C402-35X32" at 331.521,383.87 h0.64 r180; SYMBOL_PART_DIM "0" at 334.442,382.499 h0.64 r180; SYMBOL_PART_DIM "0" at 332.308,380.695 h0.64 r180
C173: PIN_NUMBER "1" at 302.743,379.095 h1.02 r180; PIN_NUMBER "2" at 299.695,379.095 h1.02 r180; Top Overlay "+" at 304.292,380.619 h0.89 r180; ASSEMBLY_TOP "10uF,6.3V" at 302.514,379.476 h1.02 r180; ASSEMBLY_TOP "X" at 301.625,379.476 h1.02 r180; ASSEMBLY_TOP "X" at 300.609,379.476 h1.02 r180; ASSEMBLY_TOP "+" at 304.546,379.476 h1.02 r180; SYMB_DIM "PAD 40X70OV" at 294.361,384.81 h1.02 r180; SYMB_DIM "SM  48X78" at 296.443,386.715 h1.02 r180; SYMB_DIM "SP  40X70OV" at 294.361,388.62 h1.02 r180; SYMB_DIM "C1206-40X70" at 294.615,373.888 h1.02 r180; SYMB_DIM "0" at 302.26,382.905 h1.02 r180; SYMB_DIM "0" at 306.07,379.73 h1.02 r180
C174: PIN_NUMBER "2" at 306.807,387.604 h1.02 r90; PIN_NUMBER "1" at 306.807,384.556 h1.02 r90; Top Overlay "+" at 308.356,383.159 h0.89 r90; ASSEMBLY_TOP "10uF,6.3V" at 307.594,385.191 h1.02 r90; ASSEMBLY_TOP "X" at 307.594,386.08 h1.02 r90; ASSEMBLY_TOP "X" at 307.594,387.096 h1.02 r90; ASSEMBLY_TOP "+" at 307.594,383.159 h1.02 r90; SYMB_DIM "PAD 40X70OV" at 308.458,388.874 h1.02 r90; SYMB_DIM "SM  48X78" at 311.175,387.604 h1.02 r90; SYMB_DIM "SP  40X70OV" at 312.268,388.874 h1.02 r90; SYMB_DIM "C1206-40X70" at 297.536,388.62 h1.02 r90; SYMB_DIM "0" at 311.023,385.445 h1.02 r90; SYMB_DIM "0" at 307.848,381.635 h1.02 r90
C175: PIN_NUMBER "1" at 316.027,360.807 h0.51 r90; PIN_NUMBER "2" at 316.027,361.823 h0.51 r90; ASSEMBLY_TOP "TOLERANCE" at 318.77,361.315 h0.64 r90; ASSEMBLY_TOP "USERPART#" at 320.04,361.315 h0.64 r90; SYMBOL_PART_DIM "PAD 35X32 OV" at 321.005,358.191 h0.64 r90; SYMBOL_PART_DIM "C402-35X32" at 319.735,358.191 h0.64 r90; SYMBOL_PART_DIM "0" at 318.364,361.112 h0.64 r90; SYMBOL_PART_DIM "0" at 316.56,358.978 h0.64 r90
C176: PIN_NUMBER "1" at 357.48,377.19 h0.51 r270; PIN_NUMBER "2" at 357.48,378.714 h0.51 r270; SYMB_DIM "PAD 35X45OV" at 353.06,373.761 h1.02 r270; SYMB_DIM "SM  43X53OV" at 351.155,373.761 h1.02 r270; SYMB_DIM "SP  35X45OV" at 349.377,373.761 h1.02 r270; SYMB_DIM "C603-35X45" at 361.95,374.015 h1.02 r270; SYMB_DIM "0" at 354.711,377.317 h1.02 r270; SYMB_DIM "0" at 357.632,374.269 h1.02 r270; ASSEMBLY_BOTTOM "0.22uF" at 357.759,377.317 h1.02 r270; ASSEMBLY_BOTTOM "X" at 357.759,378.206 h1.02 r270; ASSEMBLY_BOTTOM "X" at 357.886,379.095 h1.02 r270
C177: PIN_NUMBER "2" at 357.48,381.889 h0.51 r270; PIN_NUMBER "1" at 357.48,380.365 h0.51 r270; SYMB_DIM "PAD 35X45OV" at 353.06,376.936 h1.02 r270; SYMB_DIM "SM  43X53OV" at 351.155,376.936 h1.02 r270; SYMB_DIM "SP  35X45OV" at 349.377,376.936 h1.02 r270; SYMB_DIM "C603-35X45" at 361.95,377.19 h1.02 r270; SYMB_DIM "0" at 354.711,380.492 h1.02 r270; SYMB_DIM "0" at 357.632,377.444 h1.02 r270; ASSEMBLY_BOTTOM "0.22uF" at 357.759,380.492 h1.02 r270; ASSEMBLY_BOTTOM "X" at 357.759,381.381 h1.02 r270; ASSEMBLY_BOTTOM "X" at 357.886,382.27 h1.02 r270
C178: PIN_NUMBER "1" at 359.893,381.635 h0.51 r90; PIN_NUMBER "2" at 359.893,380.111 h0.51 r90; SYMB_DIM "PAD 35X45OV" at 365.125,385.064 h1.02 r90; SYMB_DIM "SM  43X53OV" at 367.03,385.064 h1.02 r90; SYMB_DIM "SP  35X45OV" at 368.808,385.064 h1.02 r90; SYMB_DIM "C603-35X45" at 356.235,384.81 h1.02 r90; SYMB_DIM "0" at 363.474,381.508 h1.02 r90; SYMB_DIM "0" at 360.553,384.556 h1.02 r90; ASSEMBLY_BOTTOM "0.47uF" at 360.426,381.508 h1.02 r90; ASSEMBLY_BOTTOM "X" at 360.426,380.619 h1.02 r90; ASSEMBLY_BOTTOM "X" at 360.299,379.73 h1.02 r90
C179: PIN_NUMBER "1" at 310.363,382.27 h0.51 r90; PIN_NUMBER "2" at 310.363,380.746 h0.51 r90; SYMB_DIM "PAD 35X45OV" at 315.595,385.699 h1.02 r90; SYMB_DIM "SM  43X53OV" at 317.5,385.699 h1.02 r90; SYMB_DIM "SP  35X45OV" at 319.278,385.699 h1.02 r90; SYMB_DIM "C603-35X45" at 306.705,385.445 h1.02 r90; SYMB_DIM "0" at 313.944,382.143 h1.02 r90; SYMB_DIM "0" at 311.023,385.191 h1.02 r90; ASSEMBLY_BOTTOM "18pF" at 310.896,382.143 h1.02 r90; ASSEMBLY_BOTTOM "X" at 310.896,381.254 h1.02 r90; ASSEMBLY_BOTTOM "X" at 310.769,380.365 h1.02 r90
C180: PIN_NUMBER "1" at 356.083,384.81 h0.51 r90; PIN_NUMBER "2" at 356.083,383.286 h0.51 r90; SYMB_DIM "PAD 35X45OV" at 361.315,388.239 h1.02 r90; SYMB_DIM "SM  43X53OV" at 363.22,388.239 h1.02 r90; SYMB_DIM "SP  35X45OV" at 364.998,388.239 h1.02 r90; SYMB_DIM "C603-35X45" at 352.425,387.985 h1.02 r90; SYMB_DIM "0" at 359.664,384.683 h1.02 r90; SYMB_DIM "0" at 356.743,387.731 h1.02 r90; ASSEMBLY_BOTTOM "0.22uF" at 356.616,384.683 h1.02 r90; ASSEMBLY_BOTTOM "X" at 356.616,383.794 h1.02 r90; ASSEMBLY_BOTTOM "X" at 356.489,382.905 h1.02 r90
C181: PIN_NUMBER "2" at 357.48,385.064 h0.51 r270; PIN_NUMBER "1" at 357.48,383.54 h0.51 r270; SYMB_DIM "PAD 35X45OV" at 353.06,380.111 h1.02 r270; SYMB_DIM "SM  43X53OV" at 351.155,380.111 h1.02 r270; SYMB_DIM "SP  35X45OV" at 349.377,380.111 h1.02 r270; SYMB_DIM "C603-35X45" at 361.95,380.365 h1.02 r270; SYMB_DIM "0" at 354.711,383.667 h1.02 r270; SYMB_DIM "0" at 357.632,380.619 h1.02 r270; ASSEMBLY_BOTTOM "0.22uF" at 357.759,383.667 h1.02 r270; ASSEMBLY_BOTTOM "X" at 357.759,384.556 h1.02 r270; ASSEMBLY_BOTTOM "X" at 357.886,385.445 h1.02 r270
C182: PIN_NUMBER "1" at 361.544,385.064 h0.51 r180; PIN_NUMBER "2" at 363.068,385.064 h0.51 r180; SYMB_DIM "PAD 35X45OV" at 358.521,389.89 h1.02 r180; SYMB_DIM "SM  43X53OV" at 358.521,391.795 h1.02 r180; SYMB_DIM "SP  35X45OV" at 358.521,393.573 h1.02 r180; SYMB_DIM "C603-35X45" at 358.775,381 h1.02 r180; SYMB_DIM "0" at 362.077,388.239 h1.02 r180; SYMB_DIM "0" at 359.029,385.318 h1.02 r180; ASSEMBLY_BOTTOM "0.47uF" at 362.077,385.191 h1.02 r180; ASSEMBLY_BOTTOM "X" at 362.966,385.191 h1.02 r180; ASSEMBLY_BOTTOM "X" at 363.855,385.064 h1.02 r180
C183: PIN_NUMBER "1" at 315.443,385.572 h1.02; PIN_NUMBER "2" at 312.395,385.572 h1.02; SYMB_DIM "PAD 40X70OV" at 307.061,379.857 h1.02; SYMB_DIM "SM  48X78" at 309.143,377.952 h1.02; SYMB_DIM "SP  40X70OV" at 307.061,376.047 h1.02; SYMB_DIM "C1206-40X70" at 307.315,390.779 h1.02; SYMB_DIM "0" at 314.96,381.762 h1.02; SYMB_DIM "0" at 318.77,384.937 h1.02; ASSEMBLY_BOTTOM "22uF" at 315.214,385.191 h1.02; ASSEMBLY_BOTTOM "X" at 314.325,385.191 h1.02; ASSEMBLY_BOTTOM "X" at 313.309,385.191 h1.02
C184: PIN_NUMBER "2" at 314.122,381.127 h0.51; PIN_NUMBER "1" at 313.106,381.127 h0.51; ASSEMBLY_TOP "0.1uF" at 313.817,381.127 h0.64; ASSEMBLY_TOP "TOLERANCE" at 313.817,378.587 h0.64; ASSEMBLY_TOP "USERPART#" at 313.817,377.317 h0.64; SYMBOL_PART_DIM "PAD 35X32 OV" at 310.693,376.352 h0.64; SYMBOL_PART_DIM "C402-35X32" at 310.693,377.622 h0.64; SYMBOL_PART_DIM "0" at 313.614,378.993 h0.64; SYMBOL_PART_DIM "0" at 311.48,380.797 h0.64
C185: PIN_NUMBER "1" at 310.363,375.92 h0.51 r90; PIN_NUMBER "2" at 310.363,377.444 h0.51 r90; ASSEMBLY_TOP "0.47uF" at 310.896,376.047 h1.02 r90; ASSEMBLY_TOP "X" at 310.896,376.936 h1.02 r90; ASSEMBLY_TOP "X" at 310.769,377.825 h1.02 r90; SYMB_DIM "PAD 35X45OV" at 315.595,372.491 h1.02 r90; SYMB_DIM "SM  43X53OV" at 317.5,372.491 h1.02 r90; SYMB_DIM "SP  35X45OV" at 319.278,372.491 h1.02 r90; SYMB_DIM "C603-35X45" at 306.705,372.745 h1.02 r90; SYMB_DIM "0" at 313.944,376.047 h1.02 r90; SYMB_DIM "0" at 311.023,372.999 h1.02 r90
C186: PIN_NUMBER "2" at 310.363,375.666 h0.51 r90; PIN_NUMBER "1" at 310.363,377.19 h0.51 r90; SYMB_DIM "PAD 35X45OV" at 315.595,380.619 h1.02 r90; SYMB_DIM "SM  43X53OV" at 317.5,380.619 h1.02 r90; SYMB_DIM "SP  35X45OV" at 319.278,380.619 h1.02 r90; SYMB_DIM "C603-35X45" at 306.705,380.365 h1.02 r90; SYMB_DIM "0" at 313.944,377.063 h1.02 r90; SYMB_DIM "0" at 311.023,380.111 h1.02 r90; ASSEMBLY_BOTTOM "0.47uF" at 310.896,377.063 h1.02 r90; ASSEMBLY_BOTTOM "X" at 310.896,376.174 h1.02 r90; ASSEMBLY_BOTTOM "X" at 310.769,375.285 h1.02 r90
C187: PIN_NUMBER "1" at 309.042,385.318 h0.51 r90; PIN_NUMBER "2" at 309.042,384.302 h0.51 r90; ASSEMBLY_BOTTOM "0.01uF" at 309.245,384.81 h0.64 r90; ASSEMBLY_BOTTOM "TOLERANCE" at 311.785,384.81 h0.64 r90; ASSEMBLY_BOTTOM "USERPART#" at 313.055,384.81 h0.64 r90; SYMBOL_PART_DIM "PAD 35X32 OV" at 314.02,387.934 h0.64 r90; SYMBOL_PART_DIM "C402-35X32" at 312.75,387.934 h0.64 r90; SYMBOL_PART_DIM "0" at 311.379,385.013 h0.64 r90; SYMBOL_PART_DIM "0" at 309.575,387.147 h0.64 r90
C188: PIN_NUMBER "1" at 319.202,385.318 h0.51 r90; PIN_NUMBER "2" at 319.202,384.302 h0.51 r90; ASSEMBLY_BOTTOM "0.01uF" at 319.405,384.81 h0.64 r90; ASSEMBLY_BOTTOM "TOLERANCE" at 321.945,384.81 h0.64 r90; ASSEMBLY_BOTTOM "USERPART#" at 323.215,384.81 h0.64 r90; SYMBOL_PART_DIM "PAD 35X32 OV" at 324.18,387.934 h0.64 r90; SYMBOL_PART_DIM "C402-35X32" at 322.91,387.934 h0.64 r90; SYMBOL_PART_DIM "0" at 321.539,385.013 h0.64 r90; SYMBOL_PART_DIM "0" at 319.735,387.147 h0.64 r90
C189: PIN_NUMBER "2" at 315.392,376.047 h0.51 r270; PIN_NUMBER "1" at 315.392,377.063 h0.51 r270; ASSEMBLY_TOP "0.1uF" at 315.595,376.555 h0.64 r270; ASSEMBLY_TOP "TOLERANCE" at 313.055,376.555 h0.64 r270; ASSEMBLY_TOP "USERPART#" at 311.785,376.555 h0.64 r270; SYMBOL_PART_DIM "PAD 35X32 OV" at 310.82,379.679 h0.64 r270; SYMBOL_PART_DIM "C402-35X32" at 312.09,379.679 h0.64 r270; SYMBOL_PART_DIM "0" at 313.461,376.758 h0.64 r270; SYMBOL_PART_DIM "0" at 315.265,378.892 h0.64 r270
C190: PIN_NUMBER "1" at 370.688,375.92 h0.51 r90; PIN_NUMBER "2" at 370.688,377.444 h0.51 r90; ASSEMBLY_TOP "0.22uF" at 371.221,376.047 h1.02 r90; ASSEMBLY_TOP "X" at 371.221,376.936 h1.02 r90; ASSEMBLY_TOP "X" at 371.094,377.825 h1.02 r90; SYMB_DIM "PAD 35X45OV" at 375.92,372.491 h1.02 r90; SYMB_DIM "SM  43X53OV" at 377.825,372.491 h1.02 r90; SYMB_DIM "SP  35X45OV" at 379.603,372.491 h1.02 r90; SYMB_DIM "C603-35X45" at 367.03,372.745 h1.02 r90; SYMB_DIM "0" at 374.269,376.047 h1.02 r90; SYMB_DIM "0" at 371.348,372.999 h1.02 r90